# Altium PCB v1.0.PcbDoc (part 1 of 2)
Units mm, origin at the board's own origin, x right, y up, seen from the top; angles counter-clockwise.
Board outline 99.95 x 74.68 mm, 4 copper layers (Top Layer, Int1 (GND), Int2 (PWR), Bottom Layer), stack 1.608 mm thick; 137 components, 103 nets, 459 pads, 643 vias.
Unrouted connection lines stored in the file: 1.
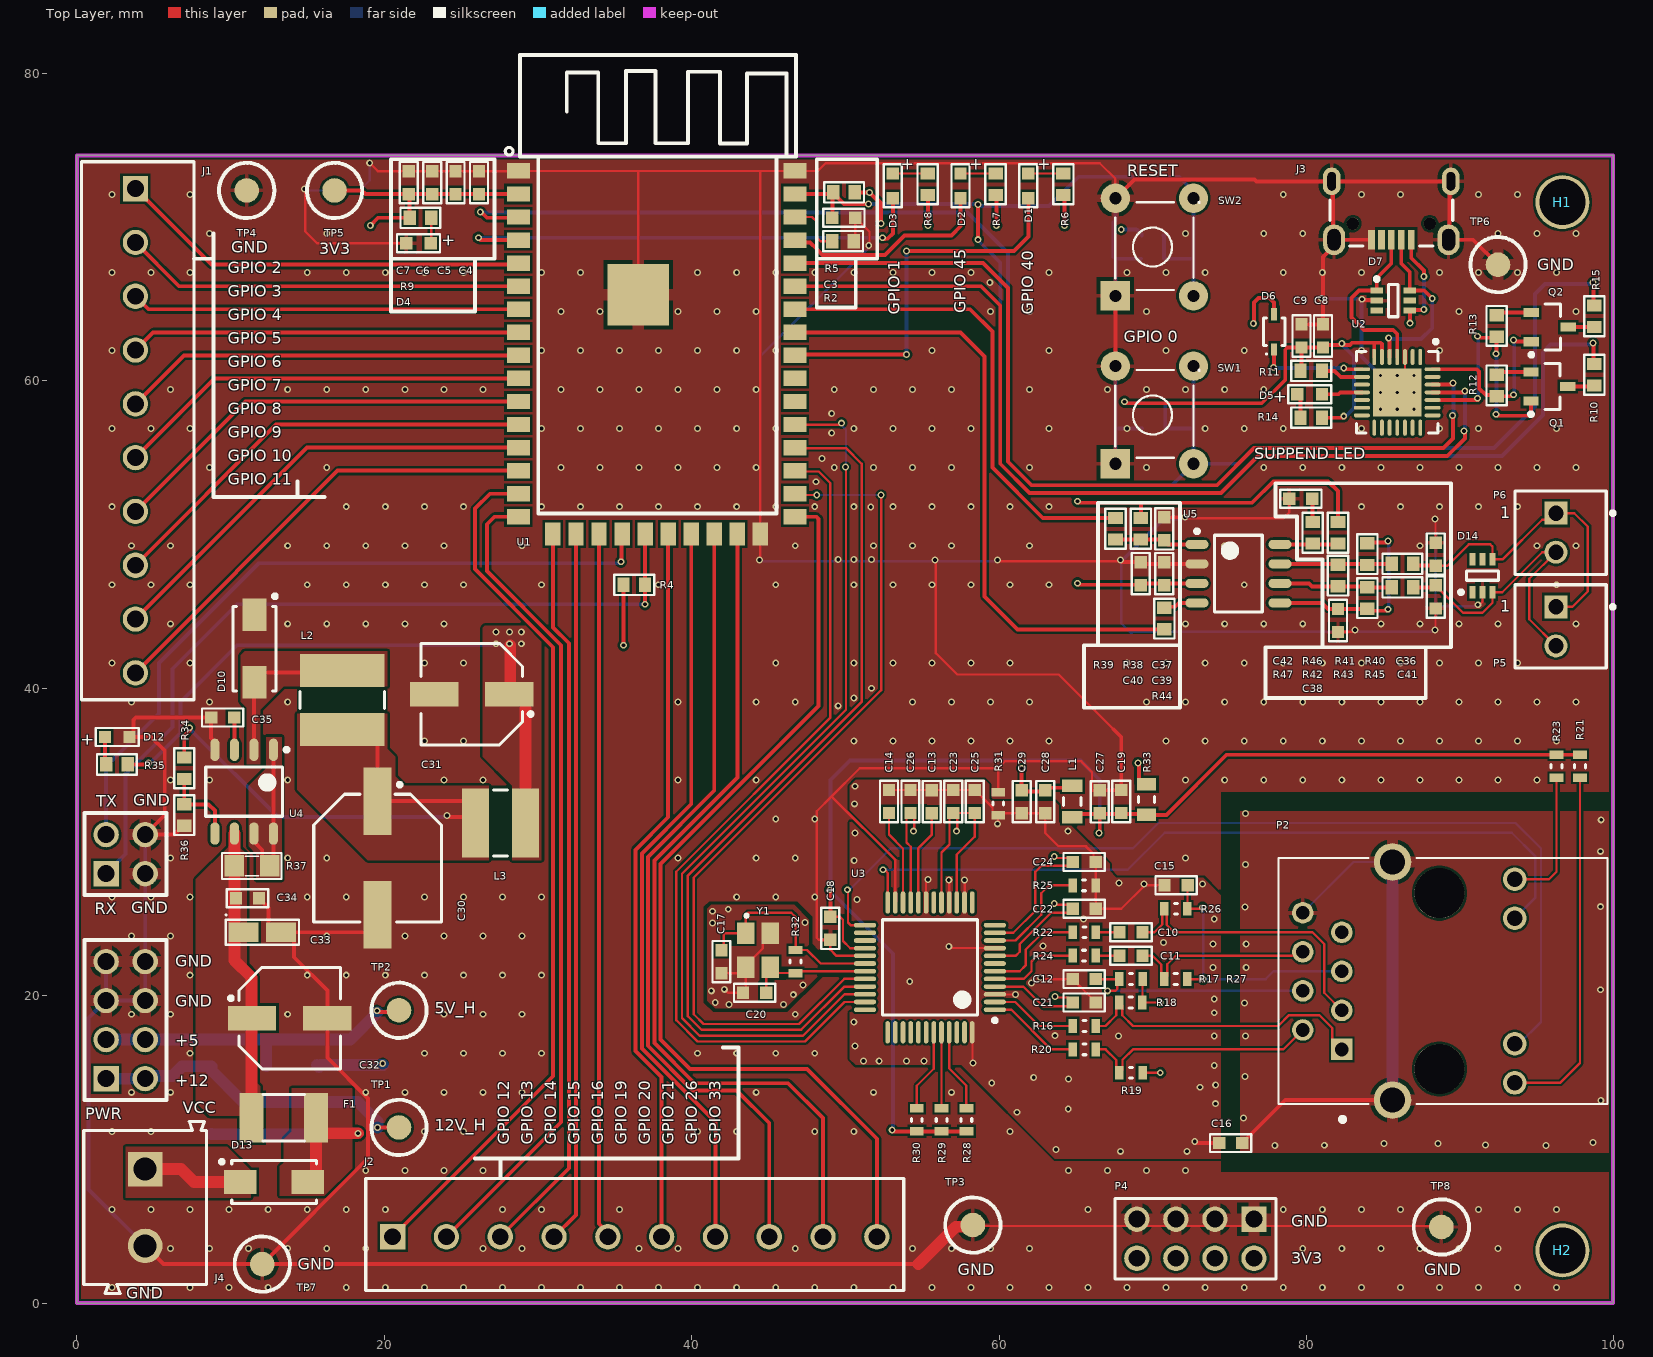
[diagram p0: Top Layer view]
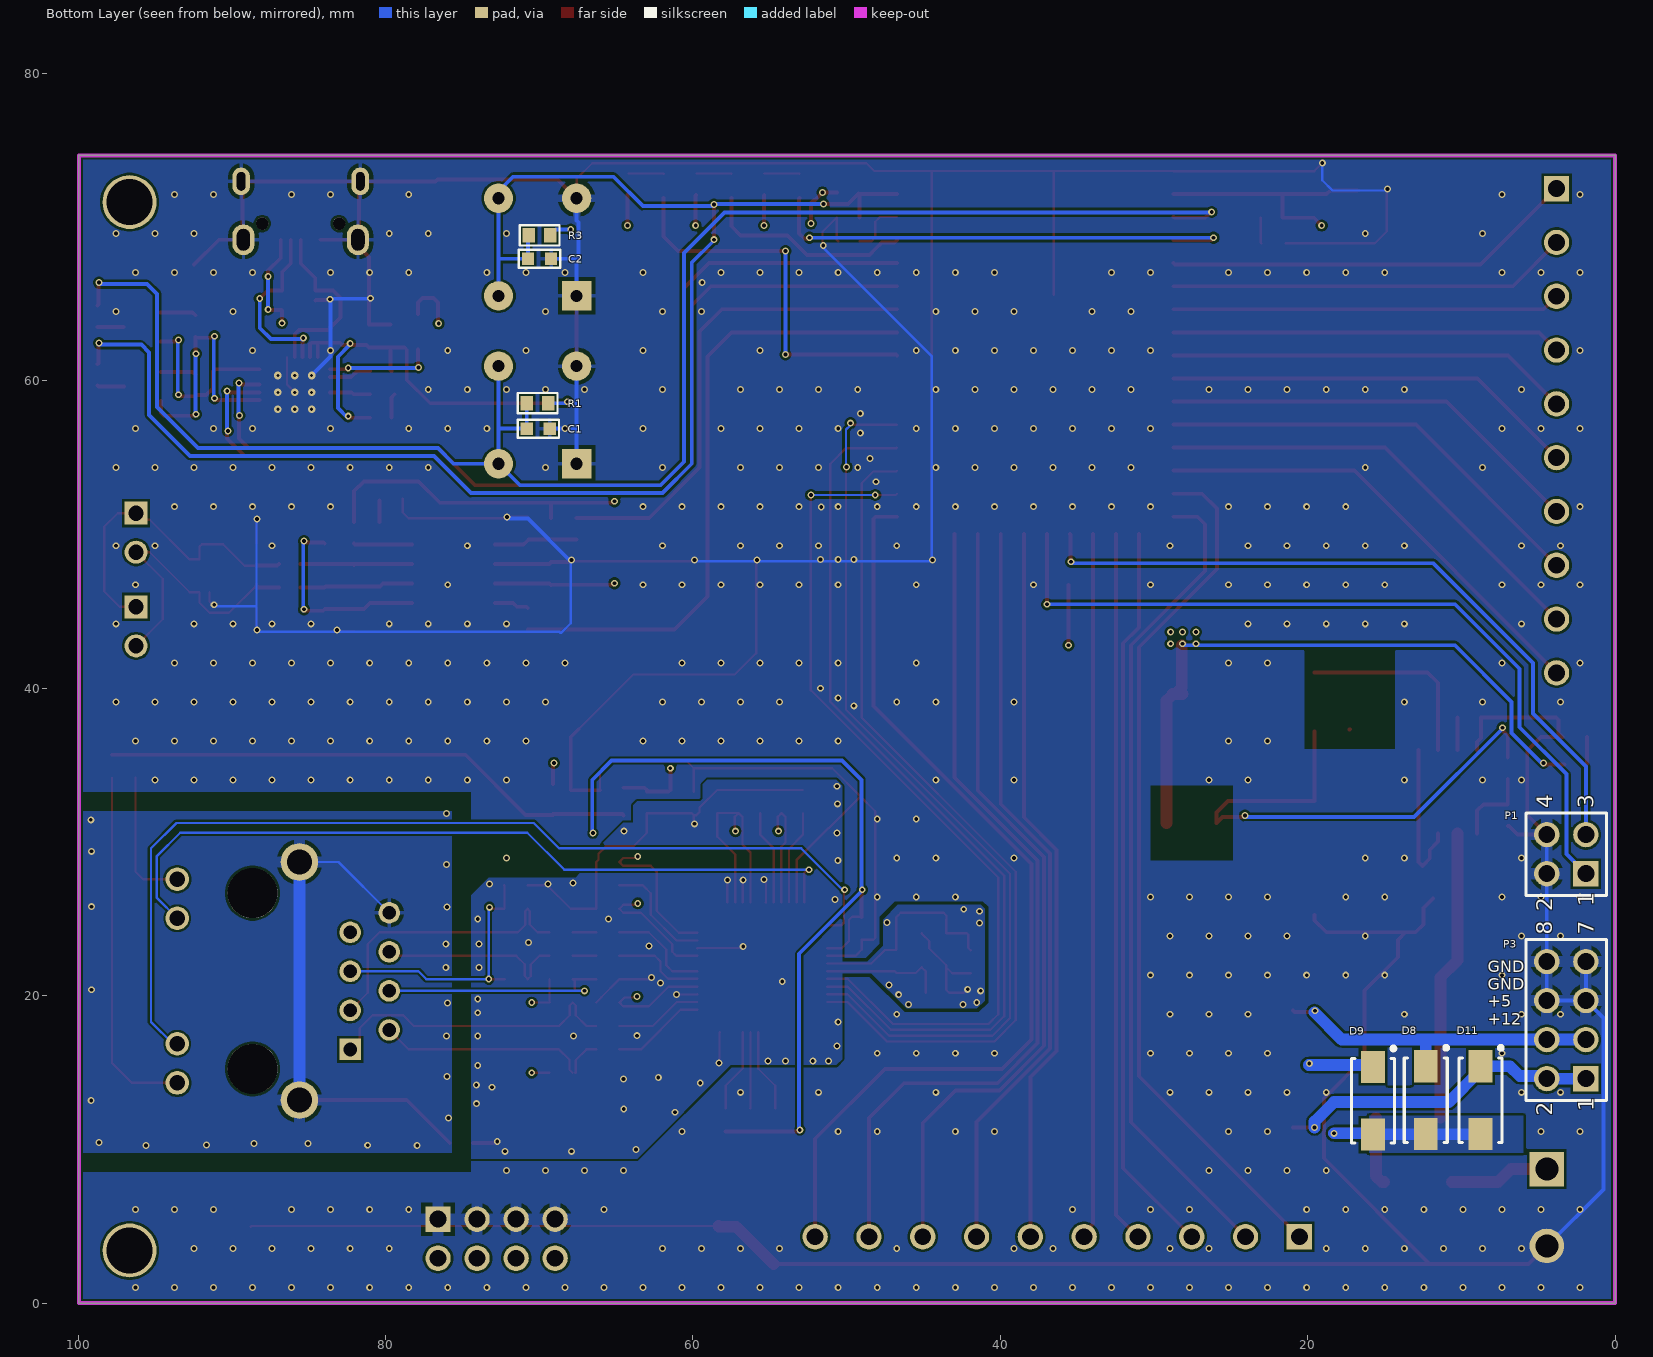
[diagram p1: Bottom Layer view, seen from below]
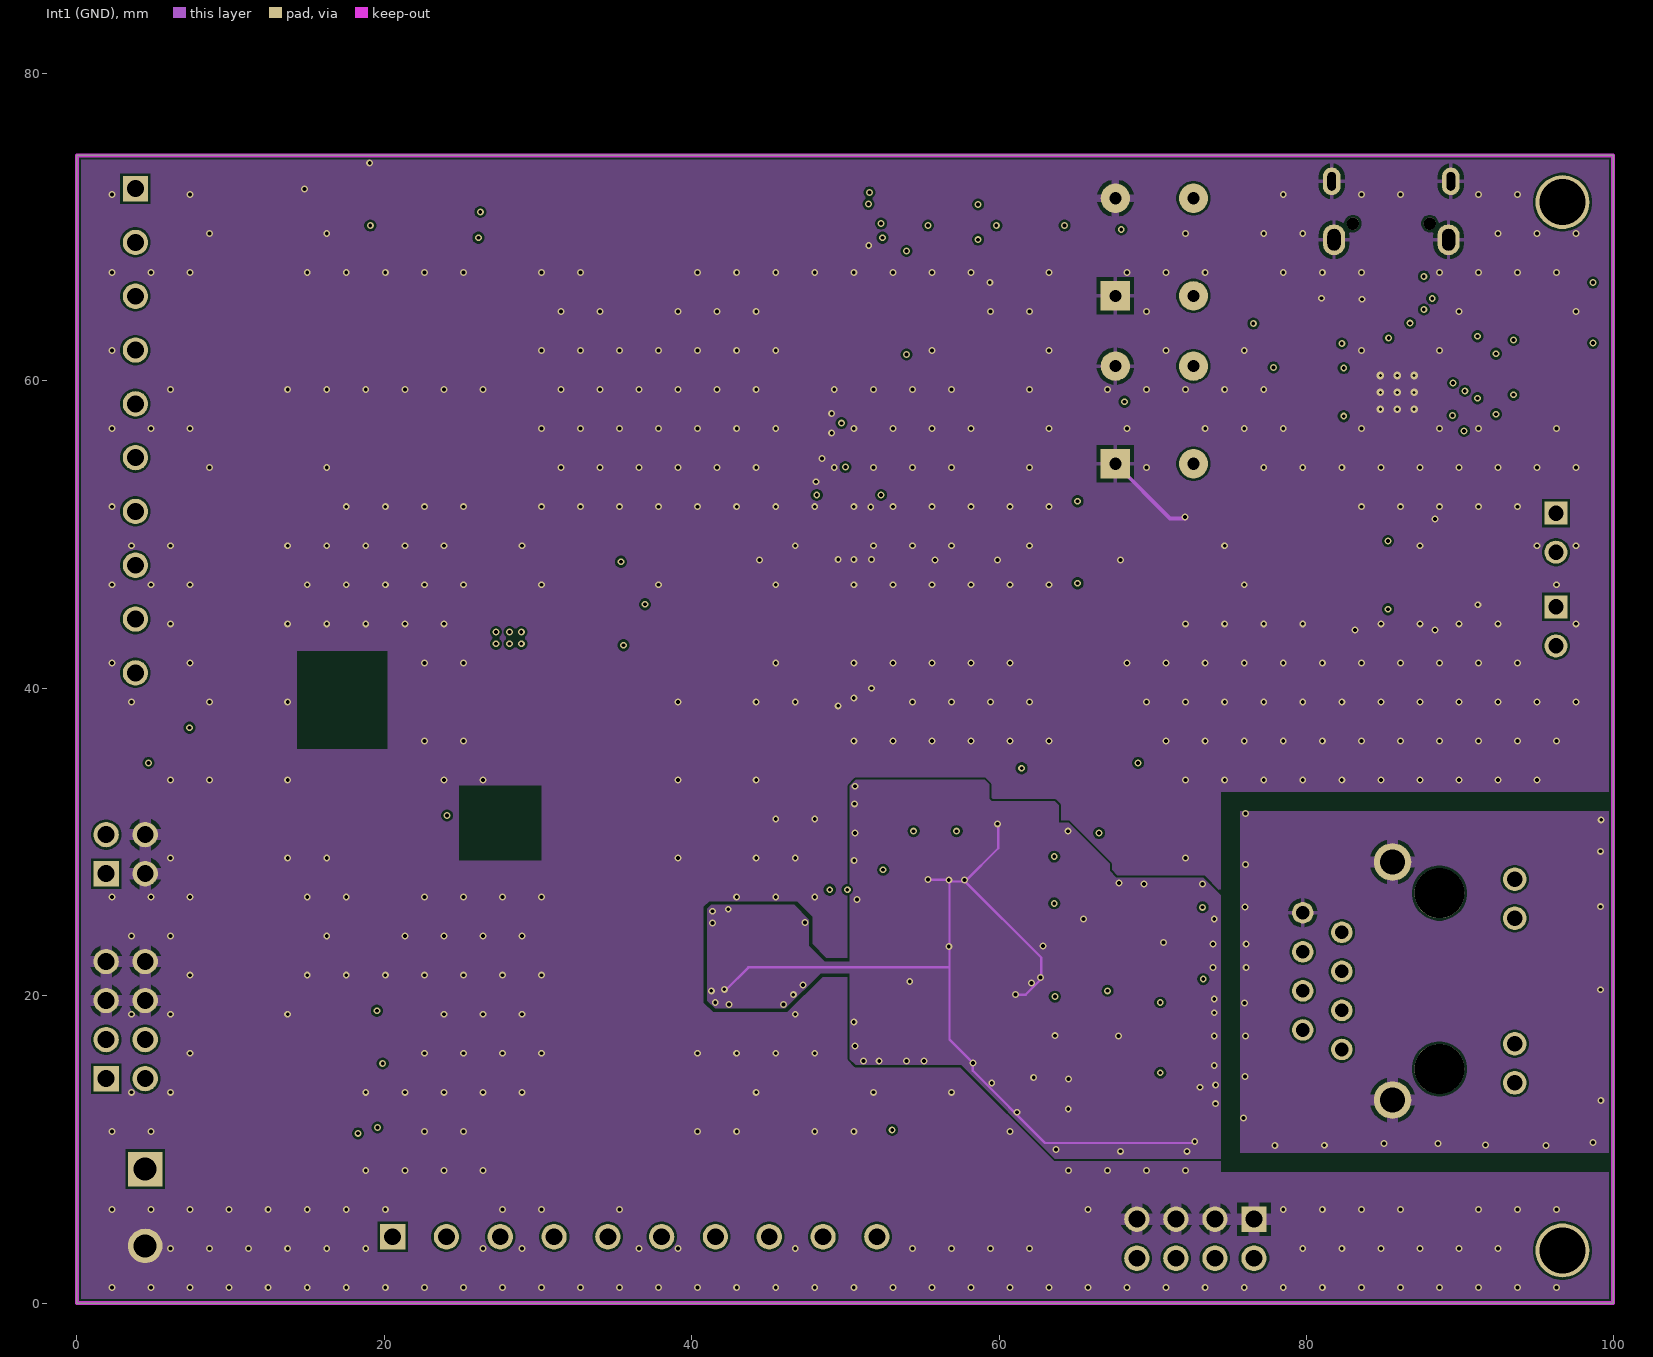
[diagram p2: Int1 (GND)]
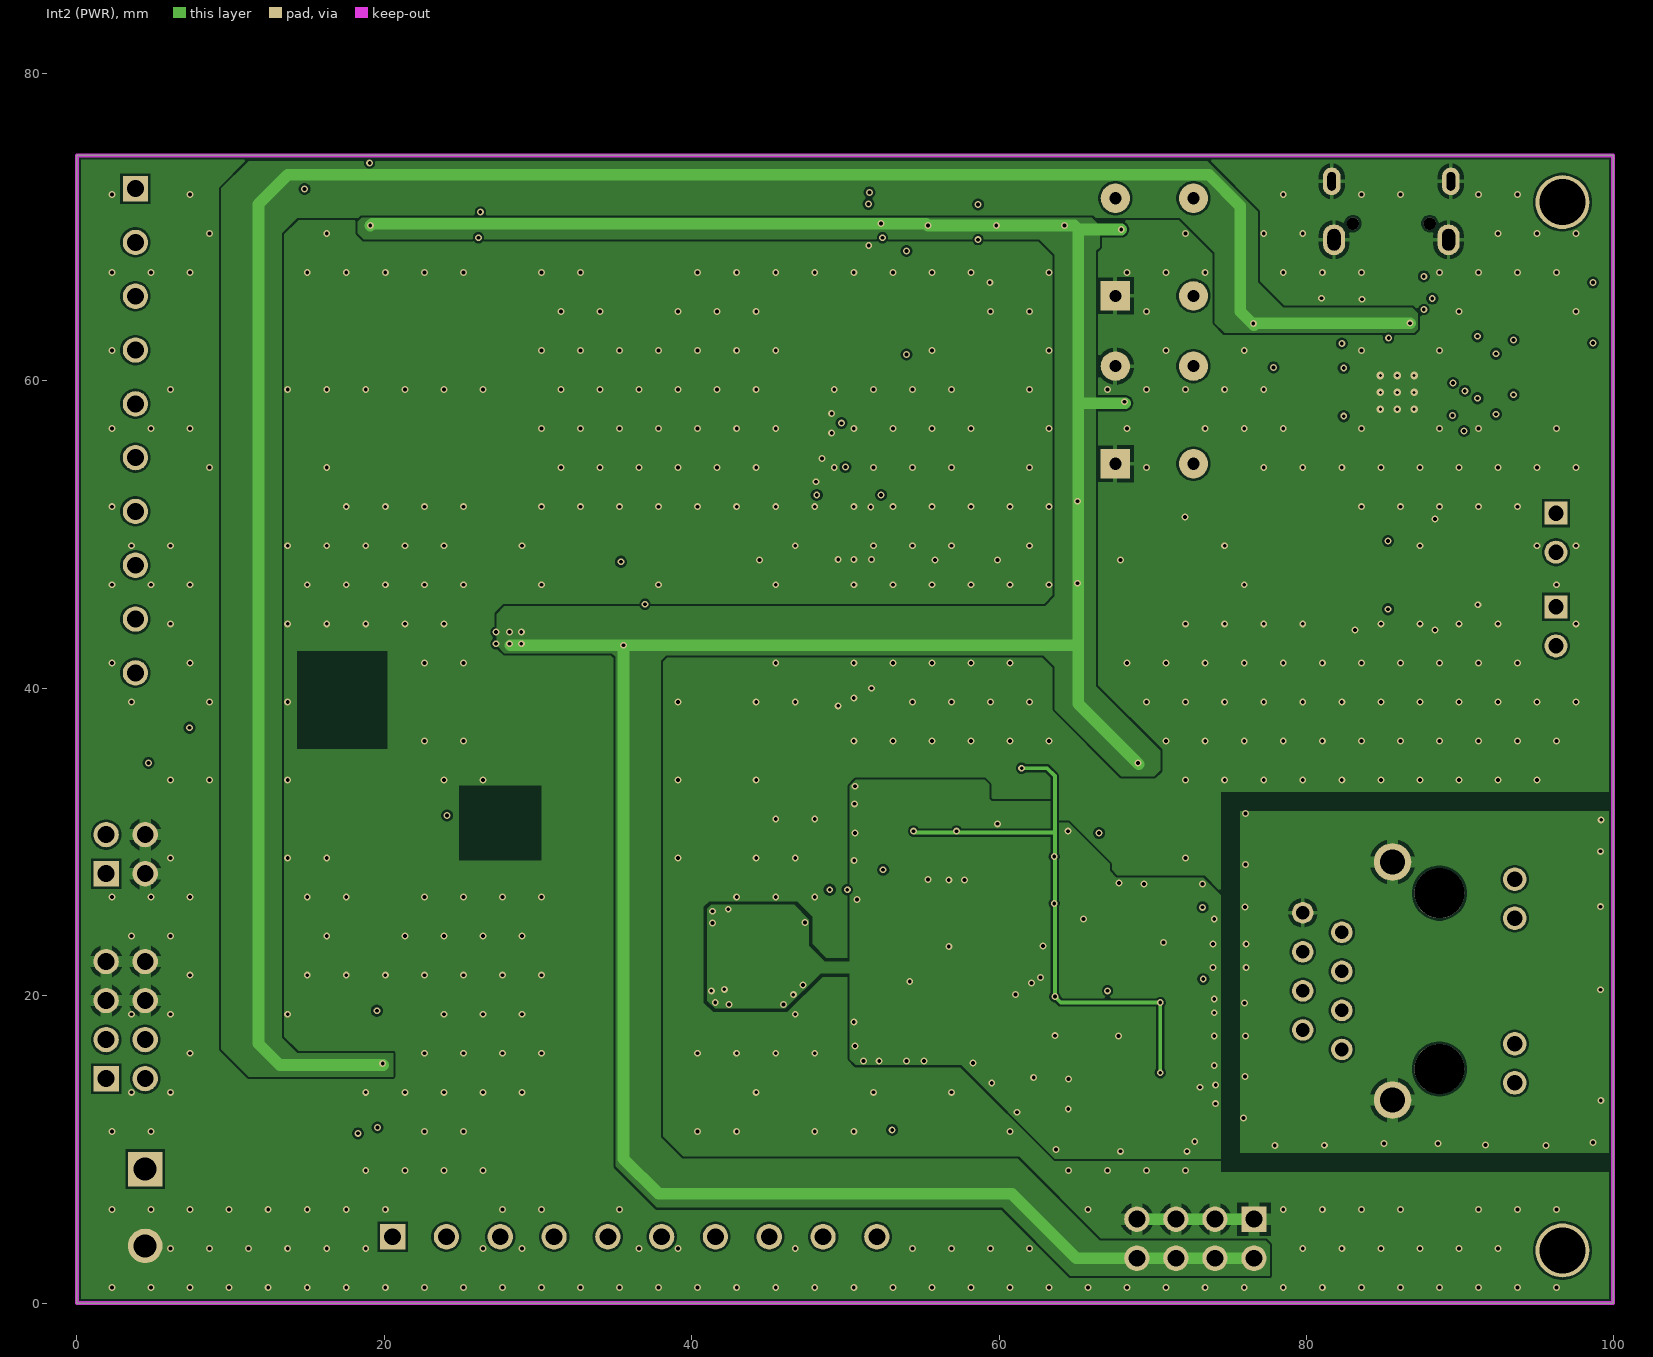
[diagram p3: Int2 (PWR)]
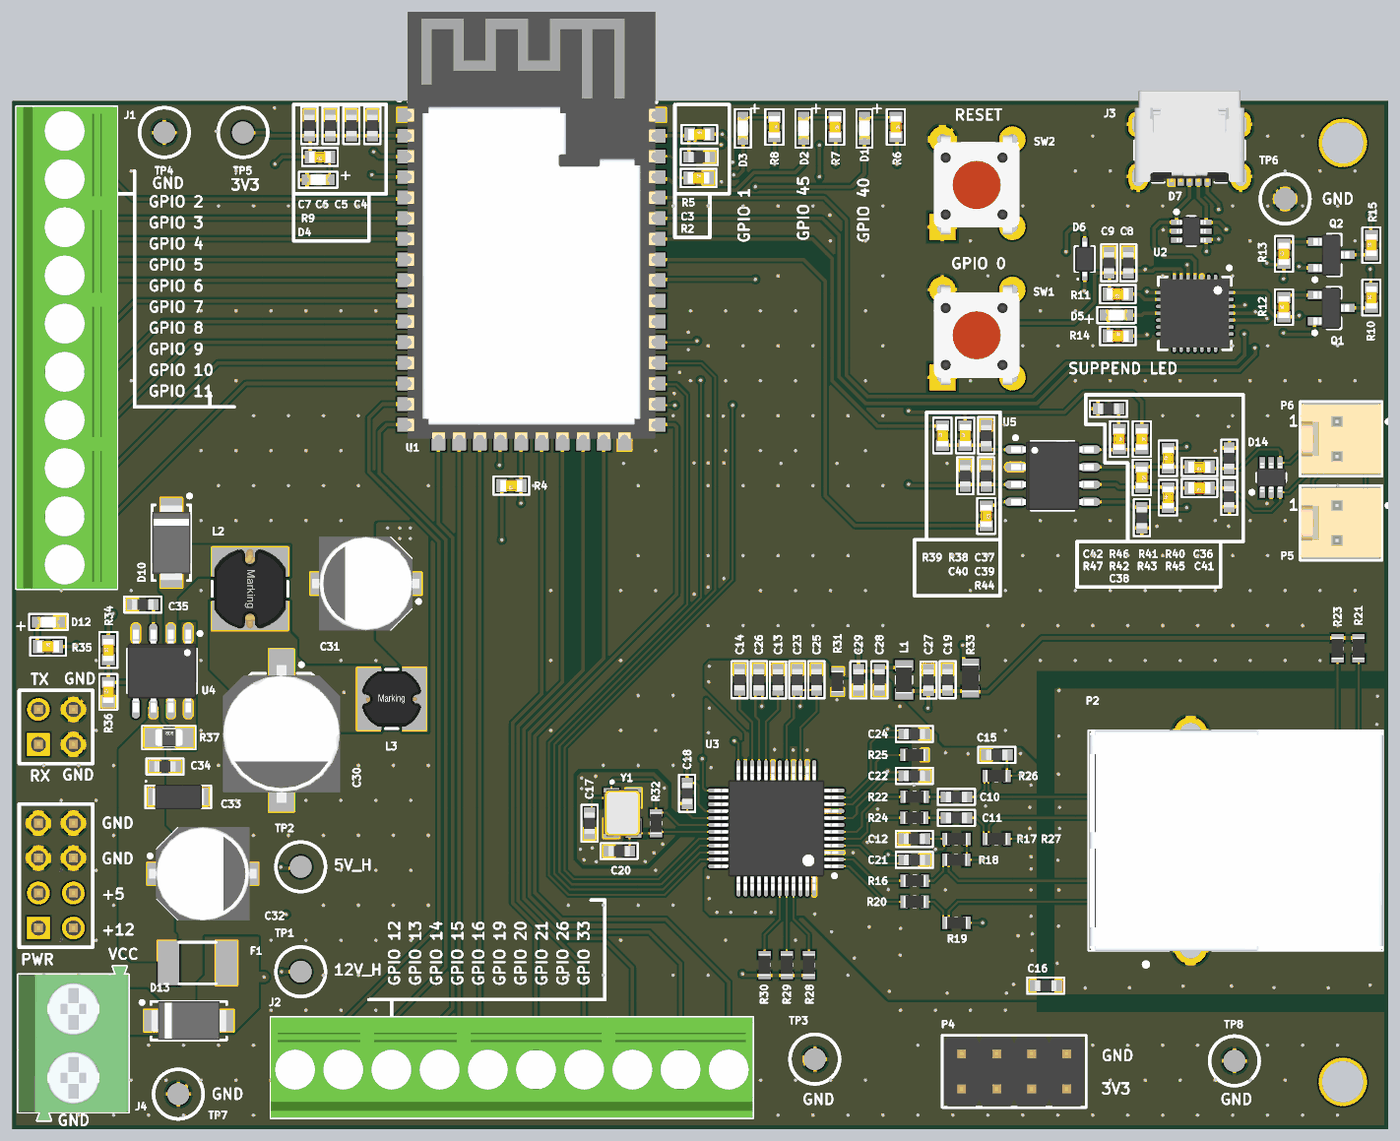
[diagram p5: 3D render of the assembled board from above, using the file's embedded part models]
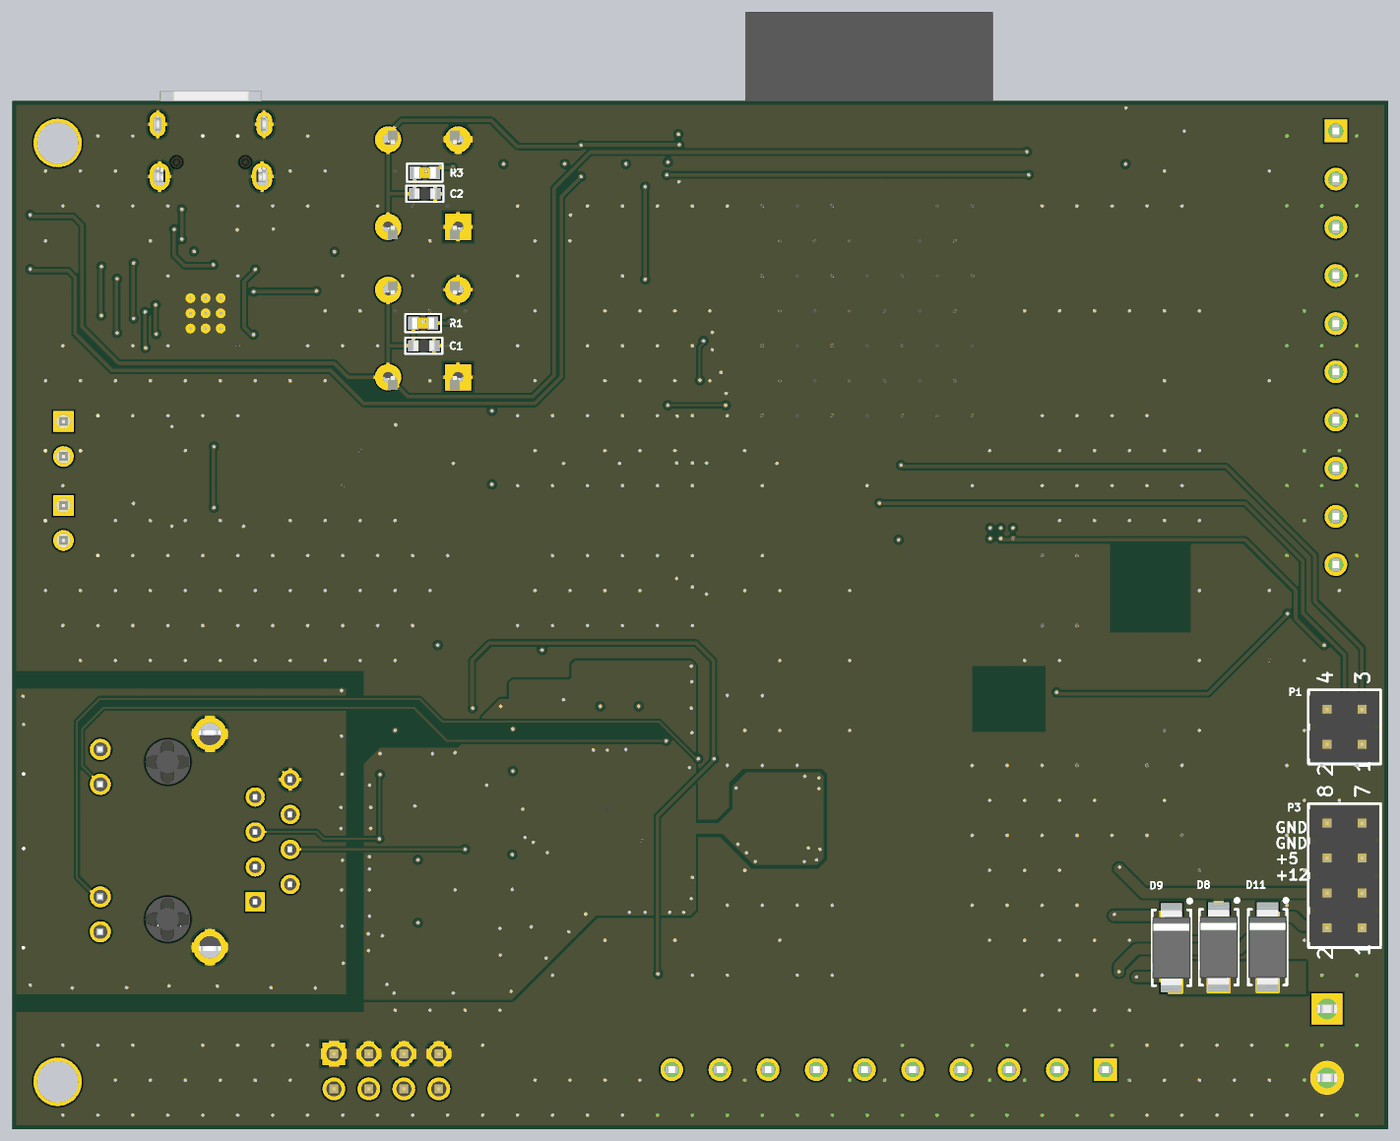
[diagram p6: 3D render of the assembled board from below, using the file's embedded part models]

## Layer stack, top to bottom
Top Solder: solder mask 0.0254, SM-001, Dk 4
Top Layer: signal copper 0.035
Dielectric 1: prepreg 0.2184, PP-023, Dk 4.5
Int1 (GND): signal copper 0.018
Dielectric 3: core 1.065, Core-039, Dk 4.8
Int2 (PWR): signal copper 0.018
Dielectric 5: prepreg 0.2184, PP-023, Dk 4.5
Bottom Layer: signal copper 0.035
Bottom Solder: solder mask 0.0254, SM-001, Dk 4

## Board outline
0,0 0,74.676 99.949,74.676 99.949,0

## Design rules (kind name [scope] priority, off if disabled: settings)
Clearance [All] p1: gap=0.152 ignorepadtopadclearanceinfootprint=TRUE
DiffPairsRouting [All] p1: maxlimit=0.254 minlimit=0.254 mostfreqgap=0.254 toplayer_minwidth=0.152 toplayer_maxwidth=0.381 toplayer_prefwidth=0.254 midlayer1_minwidth=0.152 midlayer1_maxwidth=0.381 midlayer1_prefwidth=0.254 midlayer2_minwidth=0.152 midlayer2_maxwidth=0.381 midlayer2_prefwidth=0.254 bottomlayer_minwidth=0.152 bottomlayer_maxwidth=0.381 bottomlayer_prefwidth=0.254 maxuncoupledlength=12.7
HoleSize [All] p1: absolutevalues=TRUE maxlimit=5.08 minlimit=0.025 maxpercent=80.000 minpercent=20.000
HoleToHoleClearance [All] p1: gap=0.127 allowstackedmicrovias=TRUE
MinimumSolderMaskSliver [All] p1: minsoldermaskwidth=0.025
PolygonConnect [All] p1: thpad.connectstyle=Relief thpad.reliefconductorwidth=0.254 thpad.reliefentries=4 thpad.polygonreliefangle="90 Angle" thpad.airgapwidth=0.254 smdpad.connectstyle=Relief smdpad.reliefconductorwidth=0.254 smdpad.reliefentries=4 smdpad.polygonreliefangle="90 Angle" smdpad.airgapwidth=0.254 via.connectstyle=Direct via.reliefconductorwidth=0.254 via.reliefentries=4 via.polygonreliefangle="90 Angle" via.airgapwidth=0.254
RoutingVias [All] p1: holewidth=0.25 width=0.4 viastyle="Through Hole" minholewidth=0.25 minwidth=0.4 maxholewidth=0.5 maxwidth=0.6
SilkToSilkClearance [All] p1: silktosilkclearance=0
SilkToSolderMaskClearance [IsPad] p1: minsilkscreentomaskgap=0 clearancetoexposedcopper=TRUE
SolderMaskExpansion [All] p1: expansion=0.102 istentingtop=FALSE
Width [All] p1: maxlimit=0.762 minlimit=0.152 preferedwidth=0.254
24 further rules are at their usual default settings.

## Classes and differential pairs
component class 06_CAN_Interface: C36 C37 C38 C39 C40 C41 C42 D14 P5 P6 R38 R39 R40 R41 R42 R43 R44 R45 R46 R47 U5
component class 07_Power_Supply: C30 C31 C32 C33 C34 C35 D8 D9 D10 D11 D12 D13 dr F1 H1 H2 J4 L2 L3 P3 P4 R34 R35 R36 R37 TP1 TP2 TP3 TP4 TP5 TP6 TP7 TP8 U4
component class 05_Ethernet_Interface: C10 C11 C12 C13 C14 C15 C16 C17 C18 C19 C20 C21 C22 C23 C24 C25 C26 C27 C28 C29 L1 P2 R16 R17 R18 R19 R20 R21 R22 R23 R24 R25 R26 R27 R28 R29 R30 R31 R32 R33 U3 Y1
component class 04_ESP32_UART: C8 C9 D5 D6 D7 J3 Q1 Q2 R10 R11 R12 R13 R14 R15 U2
component class 03_MCU_ESP32_Interface: C1 C2 C3 C4 C5 C6 C7 D1 D2 D3 D4 J1 J2 P1 R1 R2 R3 R4 R5 R6 R7 R8 R9 SW1 SW2 U1
differential pair TX: +TX_P -TX_N
differential pair RX: +RX_P -RX_N

## Components (designator, comment, footprint, x,y, rotation, side; value= is the part's Value field where it differs from the comment)
C1 "100nF, 50V" WCAP-CSGP_0603_H=0.8mm_Reflow 70.055,56.896 r0 bottom
C2 "100nF, 50V" WCAP-CSGP_0603_H=0.8mm_Reflow 69.977,67.945 r0 bottom
C3 "1uF, 16V" WCAP-CSGP_0603_H=0.8mm_Reflow 49.899,70.612 r180 top
C4 "10uF, 50V" WCAP-CSGP_0603_H=0.8mm_Reflow 26.162,72.898 r270 top
C5 "1uF, 50V" WCAP-CSGP_0603_H=0.8mm_Reflow 24.638,72.898 r270 top
C6 "100nF, 50V" WCAP-CSGP_0603_H=0.8mm_Reflow 23.114,72.898 r270 top
C7 "10nF, 50V" WCAP-CSGP_0603_H=0.8mm_Reflow 21.59,72.898 r270 top
C8 "10uF, 6.3V" WCAP-CSGP_0603_H=0.8mm_Reflow 81.069,62.927 r270 top
C9 "100nF, 10V" WCAP-CSGP_0603_H=0.8mm_Reflow 79.672,62.927 r270 top
C10 "6.8nF, 16V" WCAP-CSGP_0603_H=0.8mm_Reflow 68.58,24.13 r180 top
C11 "6.8nF, 16V" WCAP-CSGP_0603_H=0.8mm_Reflow 68.58,22.606 r180 top
C12 "22pF, 25V" WCAP-CSGP_0603_H=0.8mm_Reflow 65.532,21.082 r0 top
C13 "4.7uF, 10V" WCAP-CSGP_0603_H=0.8mm_Reflow 55.626,32.627 r270 top
C14 "10nF, 16V" WCAP-CSGP_0603_H=0.8mm_Reflow 52.832,32.639 r90 top
C15 "10nF, 10V" WCAP-CSGP_0603_H=0.8mm_Reflow 71.513,27.178 r0 top
C16 "10nF, 100V" WCAP-CSGP_0603_H=0.8mm_Reflow 75.069,10.414 r180 top
C17 "22pF, 50V" WCAP-CSGP_0603_H=0.8mm_Reflow 41.932,22.213 r90 top
C18 "100nF, 16V" WCAP-CSGP_0603_H=0.8mm_Reflow 49.022,24.384 r90 top
C19 "100nF, 16V" WCAP-CSGP_0603_H=0.8mm_Reflow 67.945,32.639 r270 top
C20 "22pF, 50V" WCAP-CSGP_0603_H=0.8mm_Reflow 44.091,20.193 r0 top
C21 "100nF, 16V" WCAP-CSGP_0603_H=0.8mm_Reflow 65.532,19.558 r180 top
C22 "100nF, 16V" WCAP-CSGP_0603_H=0.8mm_Reflow 65.532,25.654 r180 top
C23 "100nF, 16V" WCAP-CSGP_0603_H=0.8mm_Reflow 57.023,32.639 r270 top
C24 "100nF, 16V" WCAP-CSGP_0603_H=0.8mm_Reflow 65.532,28.702 r180 top
C25 "100nF, 16V" WCAP-CSGP_0603_H=0.8mm_Reflow 58.42,32.639 r270 top
C26 "100nF, 16V" WCAP-CSGP_0603_H=0.8mm_Reflow 54.229,32.639 r270 top
C27 "10uF, 6.3V" WCAP-CSGP_0603_H=0.8mm_Reflow 66.548,32.615 r270 top
C28 "10uF, 6.3V" WCAP-CSGP_0603_H=0.8mm_Reflow 62.992,32.627 r90 top
C29 "10nF, 16V" WCAP-CSGP_0603_H=0.8mm_Reflow 61.468,32.627 r90 top
C30 "Cap Pol SMD" "CAP ALU SIZE F" 19.558,28.956 r270 top value=470uF
C31 "Cap Pol SMD" "CAP ALU SIZE D" 25.691,39.624 r180 top value=100uF
C32 "Cap Pol SMD" "CAP ALU SIZE D" 13.843,18.542 r0 top value=100uF
C33 "Tantalum Capacitor" CAPMP3216X18N 12.065,24.13 r0 top value=4.7uF
C34 "100nF, 25V" WCAP-CSGP_0603_H=0.8mm_Reflow 11.095,26.336 r180 top
C35 "470pF, 16V" WCAP-CSGP_0603_H=0.8mm_Reflow 9.487,38.1 r180 top
C36 "100nF, 25V" WCAP-CSGP_0603_H=0.8mm_Reflow 88.398,48.728 r90 top
C37 "100nF, 25V" WCAP-CSGP_0603_H=0.8mm_Reflow 70.745,50.379 r270 top
C38 "100nF, 25V" WCAP-CSGP_0603_H=0.8mm_Reflow 82.048,44.41 r90 top
C39 "100nF, 25V" WCAP-CSGP_0603_H=0.8mm_Reflow 70.745,47.458 r90 top
C40 "10nF, 50V" WCAP-CSGP_0603_H=0.8mm_Reflow 69.221,47.458 r90 top
C41 "100nF, 25V" WCAP-CSGP_0603_H=0.8mm_Reflow 88.398,45.946 r90 top
C42 "10nF, 50V" WCAP-CSGP_0603_H=0.8mm_Reflow 79.629,52.324 r0 top
D1 "Green, 3.2V" WL-SMCW_0603_H=0.7mm 61.899,72.687 r90 top
D2 "Green, 3.2V" WL-SMCW_0603_H=0.7mm 57.485,72.687 r90 top
D3 "Green, 3.2V" WL-SMCW_0603_H=0.7mm 53.071,72.687 r90 top
D4 "Red, 2V" WL-SMCW_0603_H=0.7mm 22.225,68.961 r0 top
D5 "Amber, 2V" WL-SMCW_0603_H=0.7mm 80.205,59.129 r180 top
D6 "1N4148WS" SODFL250X90-2N 77.894,63.193 r90 top
D7 "SMF05C" SOT65P210X110-6N 85.641,65.225 r0 top
D8 "D Schottky" SS34 12.319,13.208 r270 bottom
D9 "D Schottky" SS34 15.748,13.167 r270 bottom
D10 "D Schottky" SS34 11.557,42.586 r270 top
D11 "D Schottky" SS34 8.763,13.208 r270 bottom
D12 "Red, 2V" WL-SMCW_0603_H=0.7mm 2.629,36.83 r180 top
D13 "D Schottky" SS34 12.827,7.874 r0 top
D14 "SMF05C" SOT65P210X110-6N 91.446,47.331 r90 top
F1 "Fuse" "FUSE SMD" 13.462,12.065 r180 top
H1 "Hole" "LO KHOAN 3MM" 96.647,71.628 r0 top
H2 "Hole" "LO KHOAN 3MM" 96.647,3.429 r0 top
J1 "691243110010" 691243110010 3.96,56.756 r270 top
J2 "691243110010" 691243110010 36.294,4.468 r0 top
J3 "629105150521" 629105150521 85.514,72.083 r180 top
J4 "691111710002" 691111710002 4.445,6.223 r270 top
L1 "CBG201209U101T" I0805 64.77,32.635 r90 top value="100 Ohm"
L2 "220uH, 1.75A" WE-PD2A_5848 17.272,39.243 r270 top
L3 "1uH, 4A" WE-PD2A_4532 27.559,31.242 r0 top
P1 "61300421121" 61300421121 3.175,29.21 r90 bottom
P2 "HANRUN_HR911105A" HANRUN_HR911105A 88.646,20.955 r270 top
P3 "61300821121" 61300821121 3.175,18.415 r90 bottom
P4 "61300821121" 61300821121 72.771,4.191 r180 top
P5 "61900211121" 61900211121 96.526,44.029 r90 top
P6 "61900211121" 61900211121 96.526,50.125 r90 top
Q1 "MMBT3904 (NPN)" SOT95P245X110-3N 95.801,59.637 r0 top
Q2 "MMBT3904 (NPN)" SOT95P245X110-3N 95.824,63.498 r0 top
R1 "RESISTOR SMD" RES-SM-0603 70.104,58.547 r180 bottom value=10K
R2 "RESISTOR SMD" RES-SM-0603 49.849,69.088 r0 top value=0
R3 "RESISTOR SMD" RES-SM-0603 69.977,69.469 r180 bottom value=10K